# Altium PCB Twomes_Monitor_PCB.PcbDoc
Units mil, origin at the board's own origin, x right, y up, seen from the top; angles counter-clockwise.
Board outline 4080 x 2830 mil, 2 copper layers (Top Layer, Bottom Layer); 8 components, 8 nets, 68 pads, 4 vias.
Unrouted connection lines stored in the file: 7.
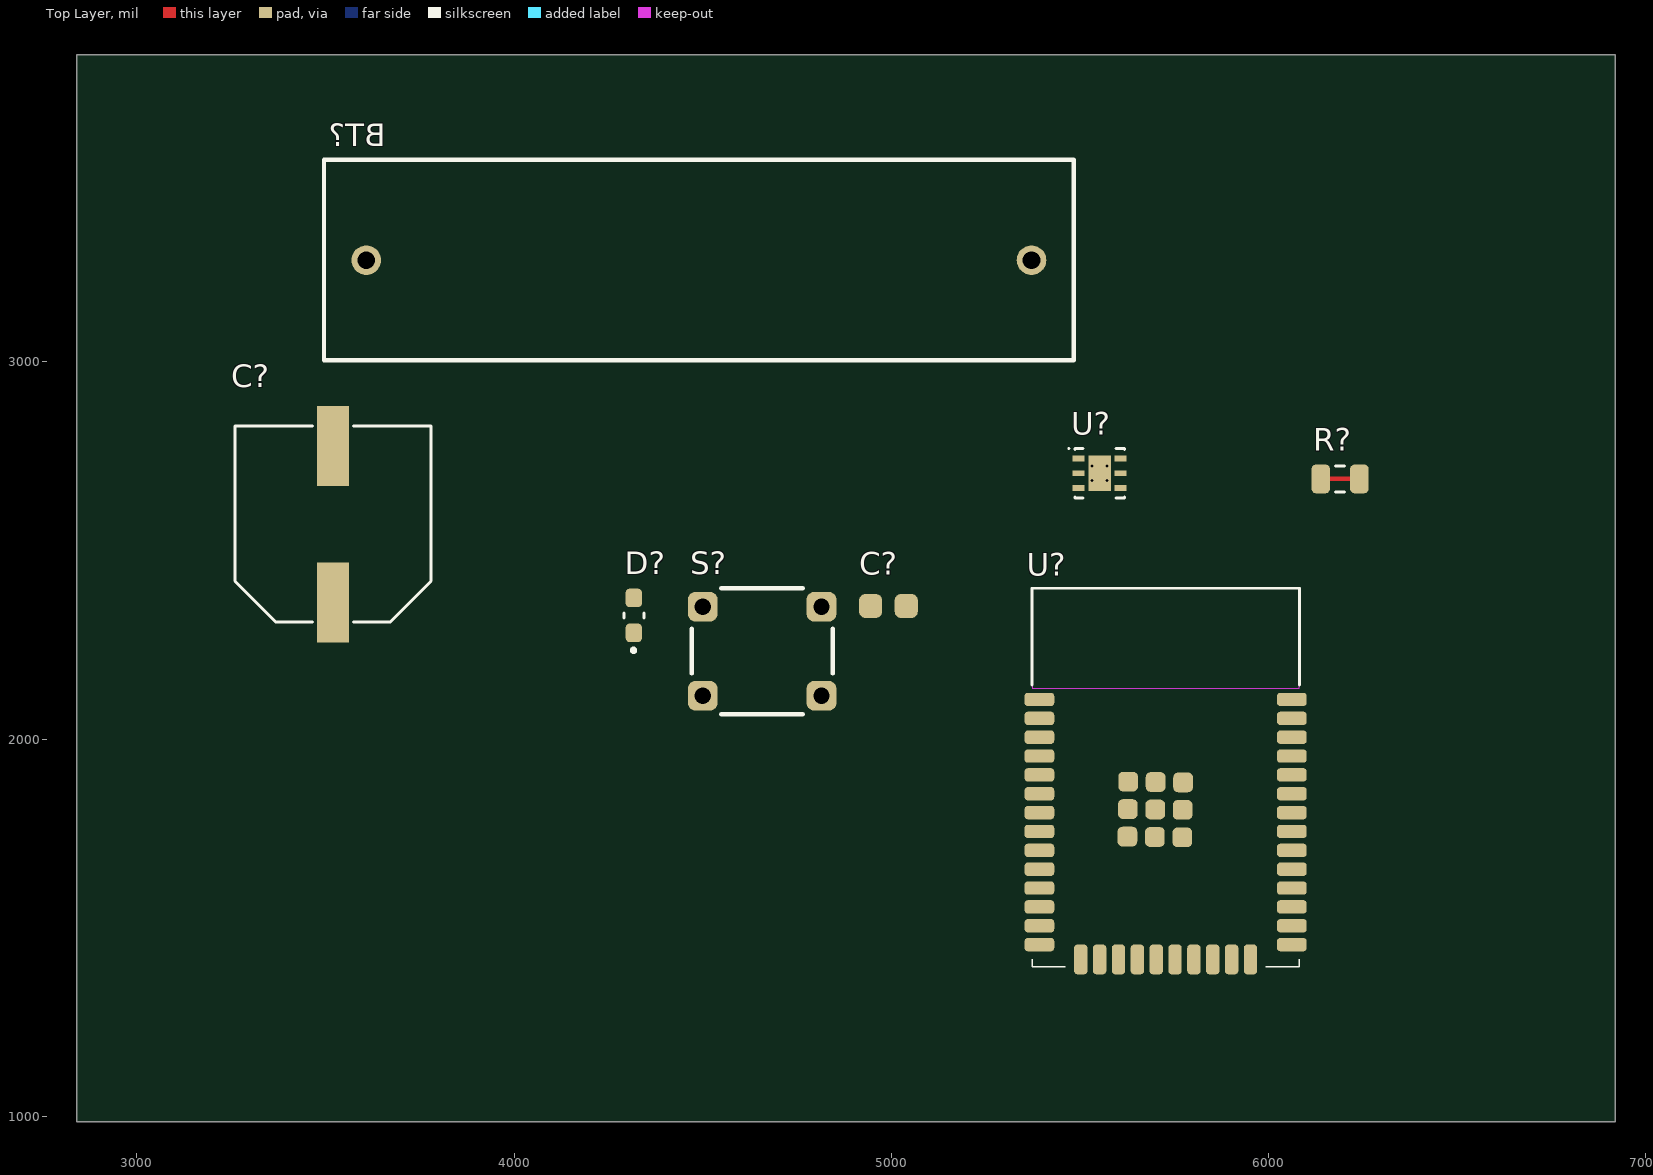
[diagram p0: Top Layer view]
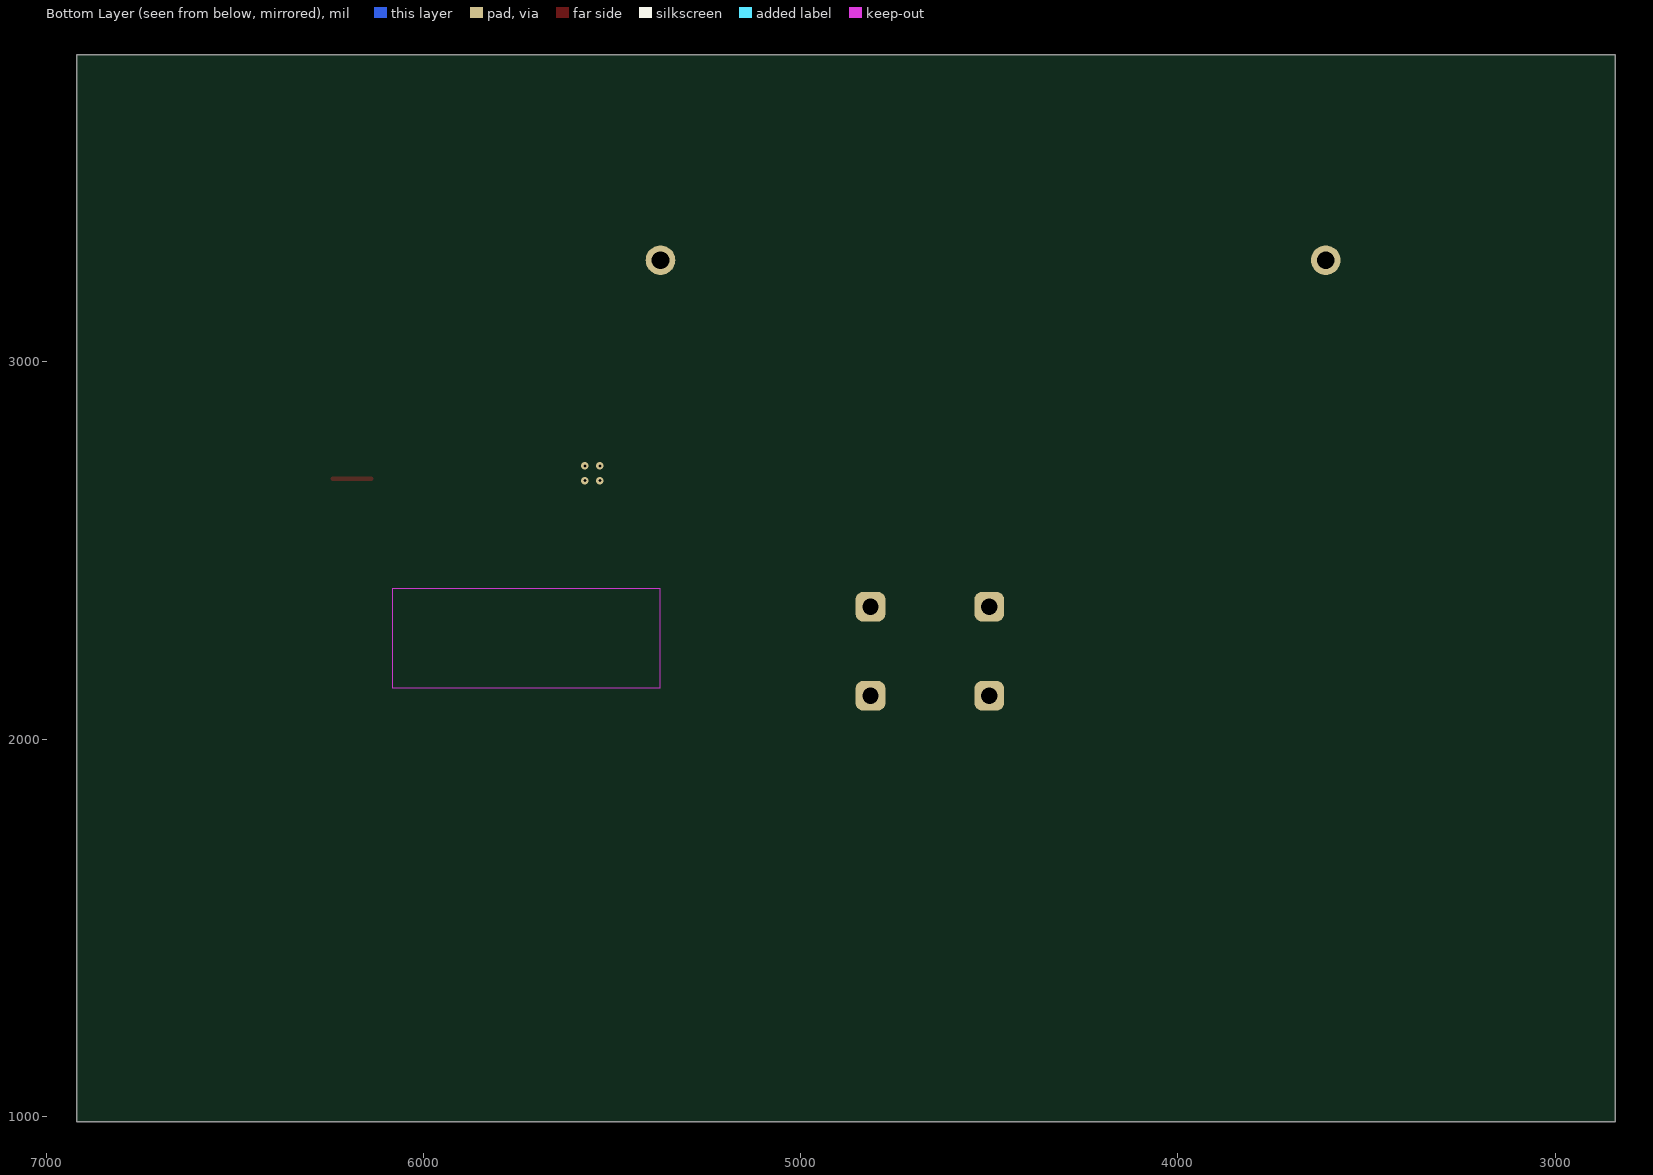
[diagram p1: Bottom Layer view, seen from below]

## Layer stack, top to bottom
Top Solder: solder mask 0.4, Solder Resist, Dk 3.5
Top Layer: signal copper 1.4
Dielectric 1: dielectric 12.6, FR-4, Dk 4.8
Bottom Layer: signal copper 1.4
Bottom Solder: solder mask 0.4, Solder Resist, Dk 3.5

## Board outline
2840,3815 6920,3815 6920,985 2840,985

## Design rules (kind name [scope] priority, off if disabled: settings)
Clearance [All] p1: gap=10 ignorepadtopadclearanceinfootprint=FALSE except(0: Arc-Hole Track-Hole SMDPad-Hole THPad-Hole Via-Hole Fill-Hole Poly-Hole Region-Hole Text-Hole)
PolygonConnect [All] p1: connectstyle=Relief reliefconductorwidth=10 reliefentries=4 polygonreliefangle="90 Angle" airgapwidth=10
RoomDefinition main [InComponentClass('main')] p1: confinementstyle=ConfineIn formatcopy=TRUE lockcomponents=FALSE outline 4277.52,1363.11 6112.52,1363.11 6112.52,2513.11 4277.52,2513.11
RoutingVias [All] p1: holewidth=28 width=50 viastyle="Through Hole" minholewidth=28 minwidth=50 maxholewidth=28 maxwidth=50
SolderMaskExpansion [All] p1: expansion=4
Width [All] p1: maxlimit=10 minlimit=10 preferedwidth=10
30 further rules are at their usual default settings.

## Classes and differential pairs
component class main: BT? C? D? R? S? U?

## Components (designator, comment, footprint, x,y, rotation, side; value= is the part's Value field where it differs from the comment)
BT? "MP000341" MP000341 4490,3270 r180 top
C? "1800uF, 10V, smd" Rubycon_TRV_12.5mmx13.5mm 3520,2570 r90 top
C? "100nF" C0805 4992.52,2353.11 r0 top
D? "red led" Kingbright_KPT-2012EC_0 4317.52,2328.11 r90 top
R? "!0R!" R1206_SHORTED_REMOVABLE 6190,2690 r0 top
S? "ESE20D321" ESE20_3 4657.52,2233.11 r0 top
U? "SI7051-A20-IM" "3x3 6-pin DFN" 5552.52,2705 r0 top
U? "ESP32-WROOM-32E" ESP32­WROOM­32E 5727.52,1898.11 r0 top

## Footprints (in the part's own frame and the unit in brackets; to place one, negate y for a bottom-side part, rotate by r counter-clockwise, add the part's x,y. Pads: shape width x height; smd on the part's side, far side on the other; paste and mask are expansions set on the pad)
"3x3 6-pin DFN" [mm] "SON, 6-Leads, Body 3,00x3,00mm, Pitch 1,00mm, Thermal Pad 2,40x1,50mm, IPC Medium Density"
  rect 0.8x0.4 smd: 1(-1.415,1) 2(-1.415,0) 3(-1.415,-1) 4(1.415,-1) 5(1.415,0) 6(1.415,1)
  rect 1.5x2.4 smd: 7(0,0)
  silkscreen extent -2.12,-1.68 1.67,1.72, body extent -1.5,-1.5 1.5,1.5, height 0.8
C0805 [mm] "Chip Capacitor, 2-Leads, Body 2,00x1,25mm, IPC Low Density"
  rrect50% 1.55x1.6 smd: 1(-1.2,0) 2(1.2,0)
  body extent -1.1,-0.72 1.1,0.72, height 1.4
ESE20_3 [mm] "Panasonic Momentary Push Switches"
  rrect50% 2x2 hole 1.1: 1(-4,3) 2(-4,-3) 3(4,3) 4(4,-3)
  silkscreen extent -4.75,-4.25 4.75,4.25, body extent -4.55,-3.95 4.55,3.95, height 12.5
ESP32­WROOM­32E [mm] "ESP32­WROOM­32E"
  rrect50% 2x0.9 smd: 1(-8.5,5.26) 2(-8.5,3.99) 3(-8.5,2.72) 4(-8.5,1.45) 5(-8.5,0.18) 6(-8.5,-1.09) 7(-8.5,-2.36) 8(-8.5,-3.63) 9(-8.5,-4.9) 10(-8.5,-6.17) 11(-8.5,-7.44) 12(-8.5,-8.71) 13(-8.5,-9.98) 14(-8.5,-11.25) 25(8.5,-11.25) 26(8.5,-9.98) 27(8.5,-8.71) 28(8.5,-7.44) 29(8.5,-6.17) 30(8.5,-4.9) 31(8.5,-3.63) 32(8.5,-2.36) 33(8.5,-1.09) 34(8.5,0.18) 35(8.5,1.45) 36(8.5,2.72) 37(8.5,3.99) 38(8.5,5.26)
  rrect50% 0.9x2 smd: 15(-5.715,-12.25) 16(-4.445,-12.25) 17(-3.175,-12.25) 18(-1.905,-12.25) 19(-0.635,-12.25) 20(0.635,-12.25) 21(1.905,-12.25) 22(3.175,-12.25) 23(4.445,-12.25) 24(5.715,-12.25)
  rrect50% 1.33x1.33 smd: 39(-2.575,-3.975) 39(-2.55,-2.125) 39(-2.525,-0.275) 39(-0.725,-4) 39(-0.7,-2.15) 39(-0.675,-0.3) 39(1.125,-4.025) 39(1.15,-2.175) 39(1.175,-0.325)
  Keep-Out Layer region: -9,6 9,6 9,12.75 -9,12.75
  silkscreen extent -9,-12.75 9,12.75, body extent -9,-12.75 9,12.75, height 2.91
Kingbright_KPT-2012EC_0 [mm]
  rrect50% 1.25x1.1 smd paste+0 mask+0: 1(-1.175,0) 2(1.175,0)
  silkscreen extent -2.47,-0.67 0.18,0.67, body extent -1.9,-0.77 1.9,0.77, height 0.25
MP000341 [mm] "Battery holder, AAA, 3D model is look-a-like"
  round 2 hole 1.2: 1(-22.4,0) 2(22.4,0)
  silkscreen extent -25.25,-6.75 25.25,6.75, body extent -25.25,-6.75 25.25,6.75, height 3
R1206_SHORTED_REMOVABLE [mm] "Chip Resistor, 2-Leads, Body 3,10x1,60mm, IPC High Density"
  rrect50% 1.25x1.95 smd: 1(-1.3,0) 2(1.3,0)
  Top Layer lines w0.3: -1.3,0 1.3,0
  silkscreen extent -0.3,-0.87 0.3,0.87
Rubycon_TRV_12.5mmx13.5mm [mm] "Aluminum Electrolytic Capacitor, Body 13,00x13,00x13,00mm, IPC Medium Density"
  rect 5.4x2.15 smd: 1(-5.275,0) 2(5.275,0)
  silkscreen extent -6.6,-6.6 6.6,6.6, body extent -7.15,-6.6 7.15,6.6, height 13

## Part data
BT?: library part Battery_holder, "Battery Holder, PCB, 1 x AAA", Brand="MULTICOMP PRO", Order Code=3126578, Price=0,662, Seller=Farnell, Type=MP000341
C?: "SMD Aluminium Electrolytic Capacitor, Radial Can, 1800 µF, 10 V, 0.092 ohm, TRV Series", Capacitance=1800µF, Voltage=10V, Brand=RUBYCON, Order Code=2535761, Price=0,436, Supplier=Farnell, Type=10TRV1800M12.5X13.5
C?: library part 100nF,0805, "885012207045 -  SMD Multilayer Ceramic Capacitor, 0.1 µF, 16 V, 0805 [2012 Metric], ± 10%, X7R, WCAP-CSGP Series", Brand="Wurth Elektronik", Capacitance=100nF, Order Code=2495190, Price=0,0915, Supplier=Farnell, Type=885012207045
D?: library part KPT-2012EC, "KPT-2012EC -  LED, Low Power, Red, SMD, 0805 [2012 Metric], 30 mA, 2 V, 617 nm", Brand=KINGBRIGHT, Order Code=2099236, Price=0,112, Supplier=Farnell, Type=KPT-2012EC
R?: library part "0R, optional resistor", "normally shorted, but easy to change to an resistor footprint"
S?: "Pushbutton Switch, ESE20D Series, SPST-NO, Off-(On), Square, White", Brand=PANASONIC, Order Code=2079605, Price=0,836, Seller=Farnell, Type=ESE20D321
U?: "Temperature Sensor IC, Digital, ± 0.1°C, -40 °C, 125 °C, DFN, 6 Pins", Brand="SILICON LABS", ClassName=Smallpitch, Order Code=2769160, Price=1,98, Supplier=Farnell, Type=SI7051-A20-IM
U?: library part ESP32-WROOM-32E(M113EH2800PH3Q0), "USB-modules (802.11) SMD Module ESP32-WROOM-32E, ESP32-D0WD-V3, 16 MB SPI flash, PCB antenna", Brand="Espressif Systems", Order Code=356-ESP32WRM32E128PH, Price=2,64, Supplier=MOUSER, Type=ESP32-WROOM-32E

## Via types
v1: diameter 19.68, hole 7.87, Top Layer to Bottom Layer, 4 vias

## Nets (pads, with @x,y where several pads share a name; then routed paths per layer and width w, separated by ;. In a path a pad name is that pad's centre, name@x,y a point inside that pad or via, vN(x,y) a via of type N, cw(c..) or ccw(c..) an arc to the next point about the centre after c; other vN are vias at no path point)
3V3: C?.2@5039.76,2353.11 U?.5@5608.23,2705
GND: C?.1@4945.28,2353.11 U?.2@5496.81,2705
I2C_SCL: U?.6@5608.23,2744.37
I2C_SDA: U?.1@5496.81,2744.37
NetS?_1: S?.1 S?.3
NetS?_2: S?.2 S?.4
NetU?_1: U?.1@5392.87,2105.2 U?.15 U?.38
Vbat: BT?.2 C?.1@3520,2362.32
pads on no net: BT?.1 C?.2@3520,2777.68 D?.1 D?.2 R?.1 R?.2 U?.2@5392.87,2055.2 U?.3 U?.4 U?.5@5392.87,1905.2 U?.6@5392.87,1855.2 U?.7 U?.8 U?.9 U?.10 U?.11 U?.12 U?.13 U?.14 U?.16 U?.17 U?.18 U?.19 U?.20 U?.21 U?.22 U?.23 U?.24 U?.25 U?.26 U?.27 U?.28 U?.29 U?.30 U?.31 U?.32 U?.33 U?.34 U?.35 U?.36 U?.37 U?.39
copper on no net:
  other v1: 5532.83,2685.32 5572.2,2685.32 5532.83,2724.69 5572.2,2724.69